# KiCad board HPM1500_DDR3_CORE_RevB.kicad_pcb (continued)
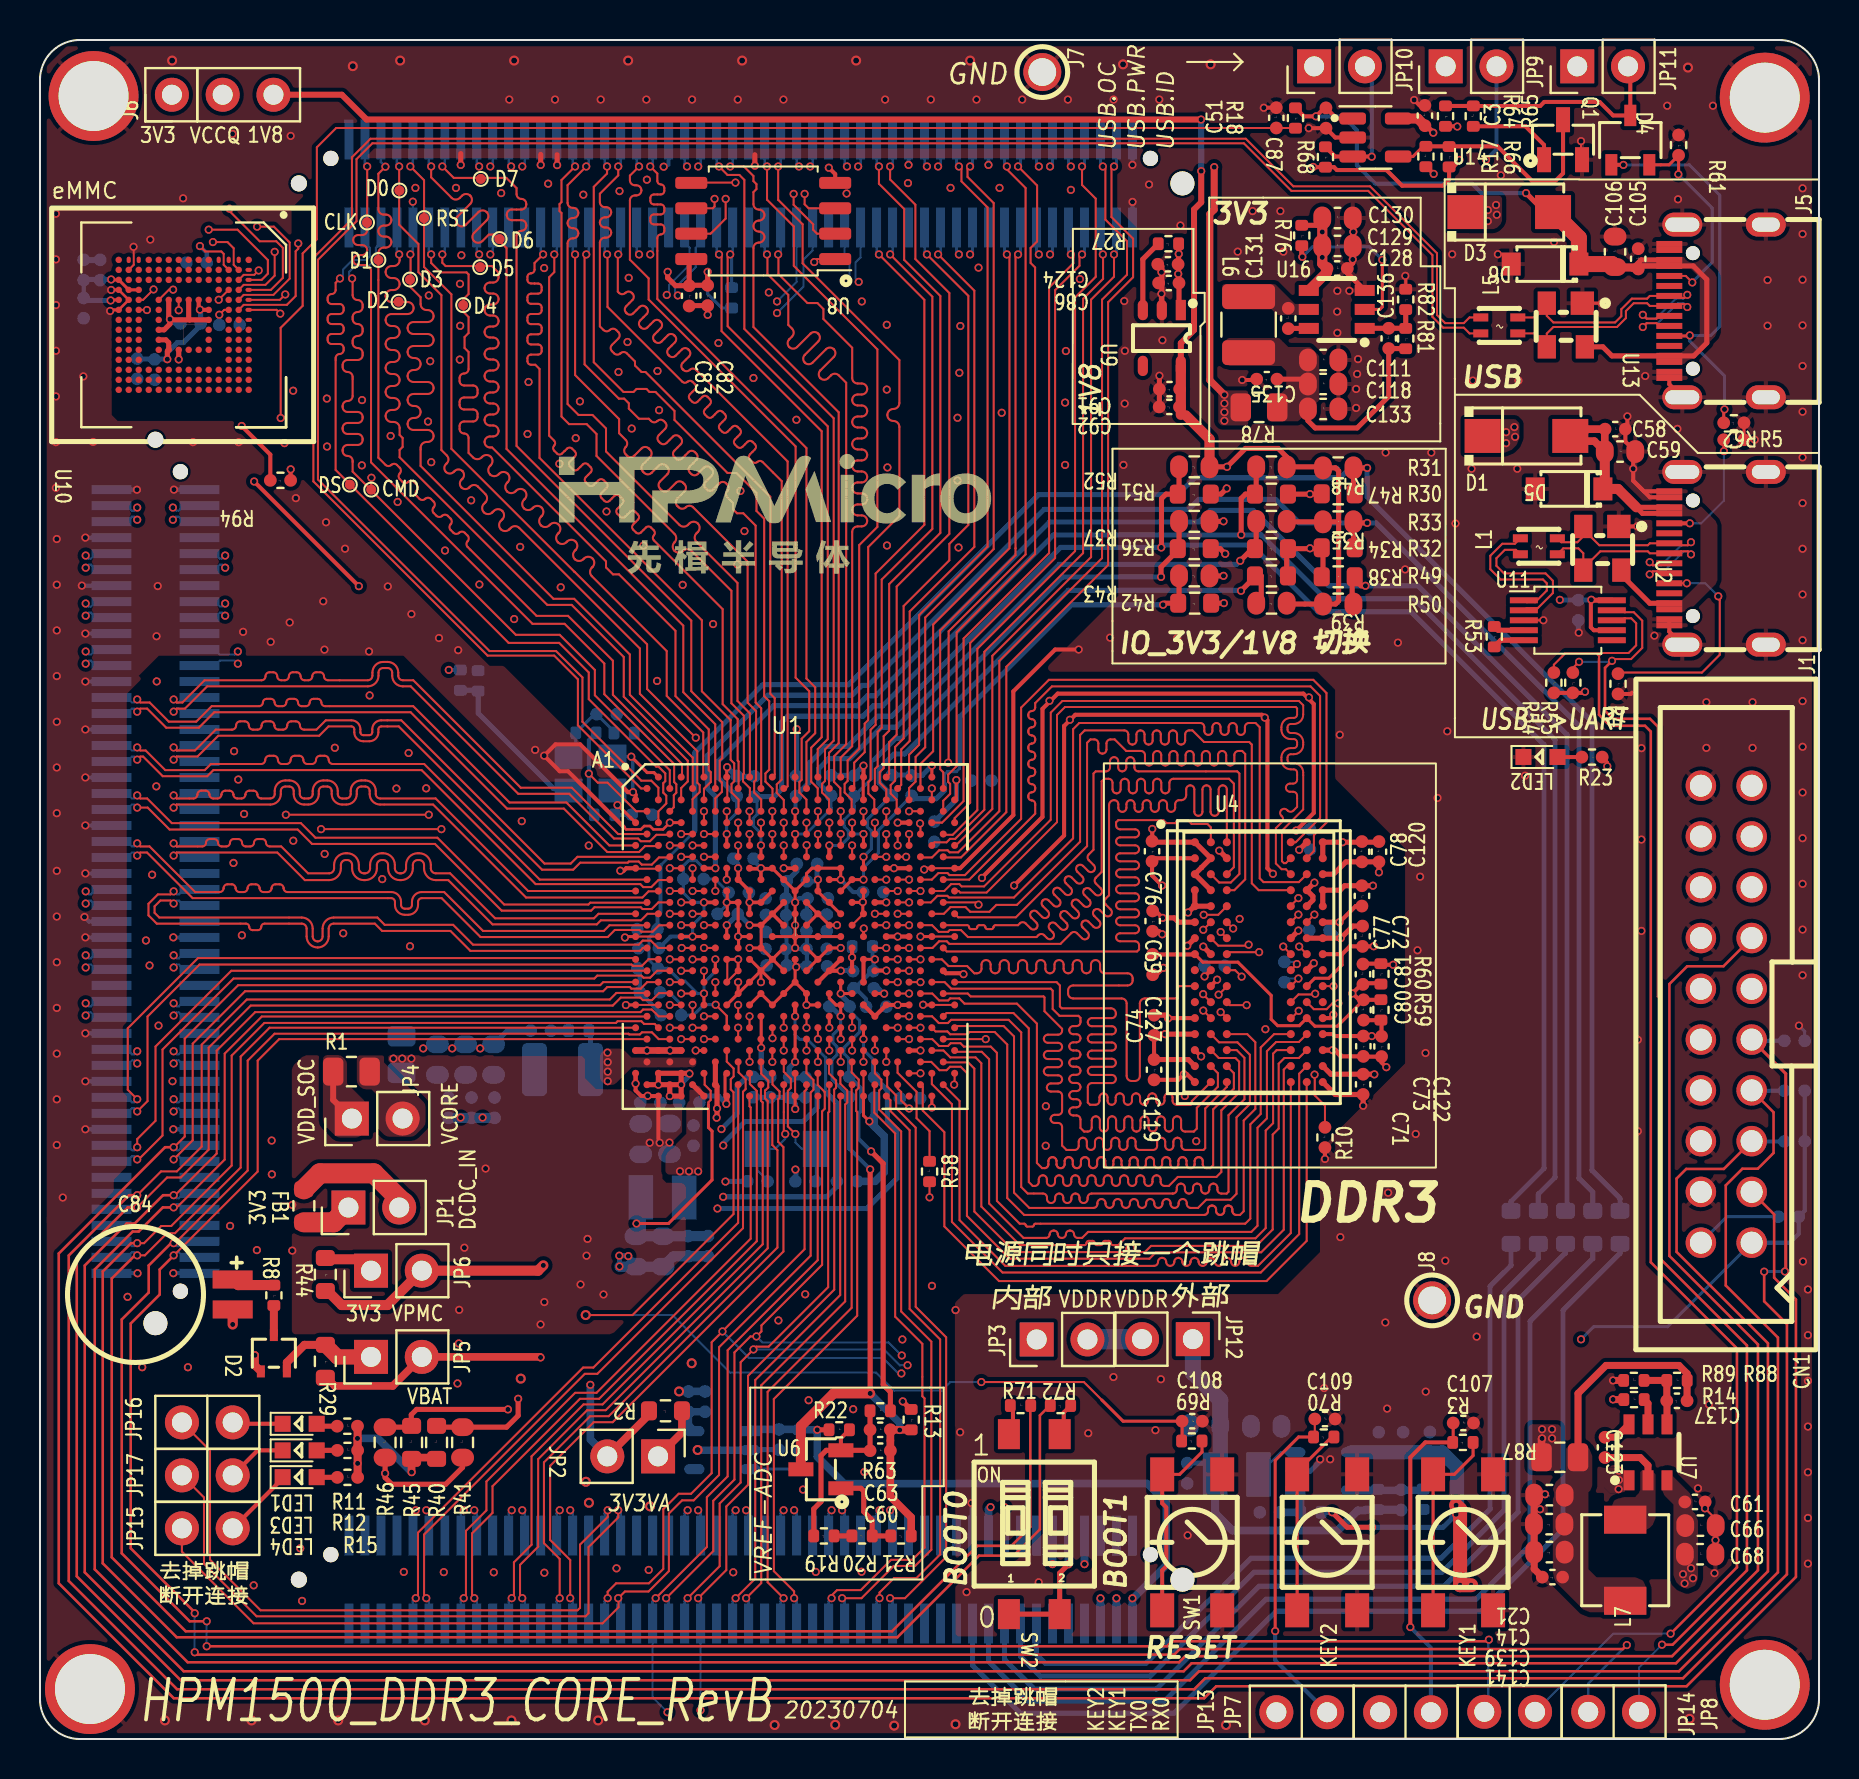
[diagram p0: board, top side]
## Nets (continued)
Net-(U1L-XTAL_OUT): R9.1 R86.2 U1.D2
Net-(U3-EN): C57.1 R67.1 U3.1
Net-(U3-FB): C62.2 R73.1 R74.2 U3.5
Net-(U4-ZQ): R10.2 U4.L8
Net-(U5-EN): R57.2 U5.3
Net-(U6-R): R20.1 R21.2 U6.1
Net-(U7-EN): R14.2 U7.5
Net-(U7-SW): C123.2 L7.1 U7.2
Net-(U7-VBST): C123.1 U7.6
Net-(U7-VFB): C137.2 R88.1 R89.2 U7.4
Net-(U9-EN): R27.2 U9.3
Net-(U10A-VDDI): C95.2 U10.C2
Net-(U11-~{CTS}): R53.2 U11.5
Net-(U11-~{RTS}): R53.1 U11.4
Net-(U16-BS): C131.1 U16.6
Net-(U16-EN): R76.2 U16.2
Net-(U16-FB): C136.2 R81.1 R82.2 U16.1
Net-(U16-LX): C131.2 L6.1 U16.5
Net-(X1-TRI_state): C50.1 R85.2 R86.1 X1.1
Net-(X1-VDD): R83.2 R84.2 X1.4

Pads without a net: CN1 11 15 17 19; J1 A8 B8; J5 A8 B8; U4 J1 J9 L1 L9; U5 4; U9 4; U10 A1 A2 A7 A8 A9 A10 A11 A12 A13 A14 B1 B7 B8 B9 B10 B11 B12 B13 B14 C1 C3 C5 C7 C8 C9 C10 C11 C12 C13 C14 D1 D2 D3 D4 D12 D13 D14 E1 E2 E3 E5 E8 E9 E10 E12 E13 E14 F1 F2 F3 F10 F12 F13 F14 G1 G2 G3 G10 G12 G13 G14 H1 H2 H3 H12 H13 H14 J1 J2 J3 J12 J13 J14 K1 K2 K3 K6 K7 K10 K12 K13 K14 L1 L2 L3 L12 L13 L14 M1 M2 M3 M7 M8 M9 M10 M11 M12 M13 M14 N1 N3 N6 N7 N8 N9 N10 N11 N12 N13 N14 P1 P2 P7 P8 P9 P10 P11 P12 P13 P14; U11 6

## Via types
v1: diameter 0.5, hole 0.3, Top to Bottom, 31 vias
v2: diameter 0.406, hole 0.254, Top to Bottom, 1030 vias

## Routing (per net, layer and track width the routed paths; a pad name or vN(x,y) marks a point on that pad's centre or on a via; arc(x,y) is an arc through that point)
5V_Debug: length 16.7
  Top w0.254: U2.4 79.11,58.24 80.53,56.82 J1.B9 ; 79.69,61.79 79.86,61.62 J1.A9 ; 79.69,61.79 80.16,61.32 J1.B4 ; 79.69,61.79 78.94,62.54
  Top w0.381: C58.1 77.4,65.53 76.8,64.93 77.76,64.93 C59.1 78.28,65.52 C58.1
  Top w0.5: C59.1 78.28,62.64 D5.1 78.94,62.54 79.86,61.62
+1V8: length 217.8
  Top w0.254: 64.97,60.89 64.97,56.94 64.81,56.78 R50.1 62.41,56.78 R39.1 ; 64.97,60.89 64.97,63.44 64.81,63.59 R31.1 64.13,63.64 R48.1 62.37,64.14 61.94,64.56 60.3,64.56 v2(59.38,63.64) R52.1 ; 64.97,60.89 64.96,60.89 R33.1 62.39,60.89 R35.1 ; v2(59.21,58.19) 59.2,58.19 R43.1 ; 21.14,14.08 21.14,13.59 20.3,12.74 17.6,12.74 17.27,13.08 v2(17.27,13.29) 17.27,14.08 ; R37.1 59.2,60.92 v2(59.21,60.92)
  Top w0.3: U9.5 57.07,69.83 57.73,70.49 57.73,76.52 58.09,76.88 v2(58.09,78.44) ; v2(58.08,81.02) 16.34,81.02 15.1,82.26 J6.3
  Top w0.508: U9.5 57.07,66.25 ; 57.32,66.22 58.5,65.03 R52.1
  In2.Cu w0.5: v2(59.21,60.92) 58.38,60.92 ; v2(59.21,58.19) 58.31,58.19
  In2.Cu w0.508: v2(17.27,13.29) 17.29,13.26 17.29,11.69 18.81,10.17 46.12,10.17 v2(47.55,11.6)
  In2.Cu w0.8: v2(47.55,11.6) v2(48.25,11.6) 49.8,13.15 68.5,13.15 73.23,17.88 73.23,53.96 71.47,55.72 58.9,55.72 58.3,56.32 58.3,63.1 58.84,63.64 v2(59.38,63.64)
  Bottom w0.3: v2(58.08,81.02) 58.09,81.01 v2(58.09,78.44)
  Bottom w0.381: v2(47.55,11.6) 47.45,11.5 J4.81 ; J4.83 48.25,11.5
+3.3V: length 246.4
  Top w0.178: U1.L13 U1.M12 v2(35.5,41.85) ; v2(34.93,43.56) U1.K10 U1.L11 v2(35.5,41.85) ; v2(35.5,41.85) U1.N11 ; U1.J15 v2(37.2,43.56)
  Top w0.2: R64.2 70.89,80.68 v2(70.9,80.67) ; v2(77.61,56.99) 77.58,56.97 77.58,55.62 77.73,55.47 U11.7 ; v2(15.95,57.67) v2(10.71,62.91)
  Top w0.203: U10.E6 8.01,71.5 ; v2(8,71.51) 7.94,71.57 U10.F5 ; v2(77.29,52.39) 77.23,52.34 R55.2 R54.2 ; 70.49,78.65 70.49,78.01 70.19,77.71 68.14,77.71 67.36,78.49 64.88,78.49 64.73,78.64 63.7,78.64 v2(63.69,78.65)
  Top w0.25: U10.K9 6.3,70 6.44,69.86 U10.J10 6.37,69.43 v2(6.37,69.03) ; v2(77.61,56.99) 77.63,56.97 U11.10
  Top w0.254: 64.18,58.14 64.18,59.59 64.14,59.55 62.37,59.55 62.37,58.19 ; v2(59.37,62.56) 59.08,62.28 58.5,62.28 ; 58.5,59.55 59.03,59.55 v2(59.29,59.29) ; U8.8 32.47,73.93 C83.1 ; 70.49,78.65 70.66,78.65 v2(71.01,79) ; C83.1 32.5,72.73 C82.1 v2(33.4,73.4) ; C83.1 31.79,72.71 31.4,73.1 v2(31.4,73.4) ; SW2.1 SW2.2 51.01,8.3 v2(51.46,8.74) ; 15.89,15.64 R11.2 ; 62.37,62.28 v2(63.53,62.28) 64.17,62.28 ; v2(59.22,56.83) 59.22,56.82 58.53,56.82
  Top w0.35: v2(59.25,67.25) 58.52,67.98 58.52,76.29 58.74,76.51 v2(58.74,78.64)
  Top w0.381: v2(75.14,15.04) 75.12,15.01 R87.2 ; 19.84,14.08 18.59,14.08 v2(18.59,13.35) ; R12.2 15.88,14.45 v2(15.88,15.04)
  Top w0.4: v2(10.75,19.2) 10.75,18.69 D2.1 ; R15.2 15.89,15.64
  Top w0.5: 14.28,24 15.99,24 JP6.1
  Top w1: JP1.1 14.69,25.85 FB1.2
  In2.Cu w0.2: v2(10.71,62.91) 6.37,67.25 v2(6.37,69.03) ; v2(15.95,57.67) 15.95,57.58 20.05,53.48 v2(20.45,53.48)
  In2.Cu w0.254: v2(70.9,80.67) 71.01,80.56 v2(71.01,79) ; v2(35.5,41.85) 34.94,41.3 34.07,41.3 33.84,41.07 33.84,39.76 34.34,39.26 34.34,36.34 33.86,35.85 33.86,34.43 33.27,33.85 29.62,33.85 29.11,33.33 29.11,32.05 28.42,31.37 23.85,31.37 20.93,28.45 17.29,28.45 JP1.1 ; v2(35.5,41.85) v2(37.21,43.56) ; v2(35.5,41.85) 35.5,41.86 34.93,42.43 v2(34.93,43.56)
  In2.Cu w0.35: J6.1 6.6,79.85 2.77,76.02 2.77,70.76 4.5,69.03 v2(6.37,69.03)
  In2.Cu w0.381: v2(31.4,73.4) 31.4,77.59 31.82,78.01 31.82,80.66 31.79,80.69
  In2.Cu w0.508: v2(63.69,78.65) 63.68,78.64 v2(58.74,78.64) ; J6.1 8.12,83.78 13.1,83.78 14.79,82.09 21.24,82.09 22.64,80.69 56.77,80.69 58.74,78.72
  Bottom w0.15: v2(77.09,19.99) 77.72,20.63 81.42,20.63 CN1.1 ; 20.45,53.48 v2(20.45,53.48)
  Bottom w0.152: 77.59,56.98 v2(77.61,56.99) ; 34.6,71.59 34.11,71.59 33.4,72.3 v2(33.4,73.4) ; 76.04,56.98 v2(76.03,56.99)
  Bottom w0.2: 21.03,53.48 20.45,53.48
  Bottom w0.203: CN1.1 87.54,24.83 87.98,25.27 R26.2 88.28,26.43 R16.1 ; 34.68,44.04 34.93,43.8 v2(34.93,43.56) ; 35.42,41.84 35.42,42.3 C34.1
  Bottom w0.25: v2(6.37,69.03) 4.89,69.03 C98.1 ; 76.04,56.98 C56.1 77.59,56.98
  Bottom w0.254: v2(8,71.51) 8.04,71.47 8.04,70.72 7.18,69.86 6.87,69.86 6.37,69.36 v2(6.37,69.03)
  Bottom w0.381: v2(18.59,13.35) 16.9,15.04 v2(15.88,15.04)
  Bottom w0.4: 51.46,10.17 v2(51.46,8.74) ; J4.89 v2(50.65,8.75) ; J4.93 v2(52.25,8.75)
  vias: v2(15.89,13.79) v2(59.25,66.82) v2(59.25,66.38) v2(59.25,65.95) v2(63.53,59.57) v2(75.14,15.49) v2(75.64,15.49) v2(75.64,15.04)
+3.3VA: length 7
  Top w0.381: R2.1 32.12,15.33 JP2.1
  Bottom w0.381: C126.1 33.27,16.37 C7.1 32.44,15.69 U5.5 32.18,15.4 JP2.1
+5V: length 66.7
  Top w0.152: R23.2 78.4,48.87 v2(78.4,48.66)
  Top w0.254: R76.1 63.88,75.73 64.15,75.99 ; 69.28,80.71 69.35,80.71 v2(69.7,80.36) ; 39.47,15.47 v2(38.88,15.47) ; v2(56.96,74.3) 56.96,74.8 R27.1 56.96,72.86 C86.1 56.98,71.58 U9.1 ; v2(66.64,10.59) 65.39,10.59 v2(64.64,11.34)
  Top w0.3: 71.96,75.74 D3.1
  Top w0.35: R14.1 78.7,16.98 v2(78.69,16.99)
  Top w0.5: 69.28,80.71 68.92,81.07 67.94,81.07
  Top w0.508: U16.4 64.39,73.39 64.39,73.57 64.15,73.81 64.15,75.99
  Top w0.7: v2(71.59,7.69) v2(71.04,7.69) 71.04,11.49 v2(70.84,11.69)
  Bottom w0.254: v2(66.64,10.59) 70.19,10.59 v2(70.84,11.24) ; R67.2 64.64,11.34 v2(64.64,11.34)
  Bottom w0.381: J4.96 v2(53.05,7.04) ; J4.100 v2(54.65,7.04) 54.69,7.04 56.34,8.69 56.34,11.83 55.39,12.78 40.22,12.78 38.88,14.12 v2(38.88,15.47) 37.99,15.47 37.97,15.49 C125.1 35.62,15.49 U5.1 ; J4.98 v2(53.85,7.04)
  Bottom w0.7: 69.51,14.34 68.72,14.34 ; 68.72,14.34 69.31,14.34 ; 68.72,14.34 U3.4 ; C54.1 70.14,14.34 70.89,13.59 70.89,11.29 v2(70.84,11.24)
  vias: v2(56.94,73.3) v2(64.15,75.39) v2(64.15,74.12) v2(72.43,76.49) v2(72.43,75.94) v2(72.84,76.74) v2(72.88,76.25) v2(73.34,65.38) v2(73.34,64.83) v2(73.75,65.63) v2(73.79,65.14) v2(82.19,8.24) v2(82.27,7.78) v2(82.59,8.54) v2(82.69,8.04)
/Main/MCU-08/VDDR': length 16
  Top w0.102: 33.44,31.74 33.44,31.86 33.55,31.97 33.55,32.43 33.25,32.73 33.25,33.36
  Top w0.15: 33.44,31.74 33.44,30.59 33.62,30.41 33.62,27.97 31.44,25.79 v2(29.84,25.79)
  Bottom w0.508: L2.2 30.05,25.39 C85.1 33.41,25.15 C113.1
AGND: length 37.8
  Top w0.152: U1.Y18 39.49,37.06 39.83,36.72 40.05,36.72 U1.AA19 ; 40.05,36.72 U1.AA19 ; U1.AA19 v2(40.06,36.15)
  Top w0.254: v2(41.53,17.29) v2(41.53,28.49)
  Top w0.381: R13.2 C63.2 C60.2 42.54,12.13 43.58,11.09 43.58,10.16
  Top w0.5: v2(41.53,17.29) 39.7,17.29 38.06,15.65 U6.3
  Bottom w0.152: v2(40.06,36.15) 40.06,35.62 39.67,35.23 39.67,34.83 39.87,34.63 39.87,34.22 39.63,33.99 39.63,32.99 40.48,32.14
  Bottom w0.203: v2(41.53,28.49) 40.48,29.54 40.48,32.14
  Bottom w0.254: v2(40.06,36.15) 39.56,36.65 C38.2
  Bottom w0.381: v2(41.53,17.29) 43.01,15.81 v2(43.01,15.46)
GND: length 441.4
  Top w0.097: v2(8.94,72) 9.43,72.5 U10.C4 ; 4.69,74.64 4.69,73.75
  Top w0.102: 29.86,43.54 30.99,43.54 ; R58.1 v2(44.5,27.1) ; v2(45.73,32.74) 45.75,32.76 U1.AG29 ; v2(37.86,50.52) 37.78,50.44 37.78,46.93 ; U1.AG21 41.19,32.25 41.17,32.23 ; C66.2 83.83,11 v2(83.29,11.54) ; 44.19,36.72 v2(44.18,36.73) ; U1.P20 U1.N21 ; 34.36,48.6 v2(34.37,48.62) ; v2(46.95,41.74) 46.84,41.85 U1.M28 ; v2(12.02,71.31) 11.83,71.5 U10.A6 ; U11.3 v2(75.21,55.97) ; 34.38,37.88 34.38,39.01 ; 3.56,71.5 v2(3.51,71.44) ; 44.3,43.56 v2(44.23,43.5) ; 4.69,73.75 U10.N2 ; v2(43.48,31.54) 43.08,31.94 43.08,32.37 42.91,32.54 U1.AH24 ; U1.AA3 U1.AA1 29.31,36.72 ; v2(4.68,74.65) 4.69,74.64 ; U1.J27 U1.J29 ; 37.78,33.36 37.78,32.23 ; Q1.2 77.09,79.06 v2(77.09,79.94) ; 44.56,40.14 45.69,40.14 ; U1.W9 U1.V10 ; 34.38,46.93 34.38,48.06 ; U1.AD28 v2(47.31,35.01) ; U1.AA29 U1.AA27 ; v2(3.56,72.49) 3.56,72.5 ; 29.86,40.14 30.99,40.14 ; 34.34,32.17 U1.AJ9
  Top w0.127: U10.P4 U10.N5 U10.P6 ; v2(31.5,45.84) 31.17,45.51 30.68,45.51 30.52,45.67 30.22,45.67 30.06,45.51 29.32,45.51 29.21,45.62
  Top w0.15: U1.AG9 34.27,33.22 34.27,32.25 U1.AJ9
  Top w0.152: 41.15,41.85 U1.M20 ; U13.1 78.12,71.83 v2(78.13,71.82) ; U1.R1 29.3,40.14 v2(29.26,40.1) ; U1.K18 v2(40.06,42.99) U1.J19 U1.J17 38.62,43.56 38.34,43.29 U1.K16 U1.L15 ; U1.L15 v2(37.78,41.85) U1.N15 v2(37.78,40.72) U1.R15 ; U1.L15 U1.K14 U1.J13 ; R62.1 R5.2 v2(85.78,65) ; U1.R15 U1.R17 U1.R19 ; U1.R15 U1.R13 ; U1.R15 v2(37.78,39.57) ; U1.W15 U1.Y16 v2(38.34,36.72) U1.AA17 ; U1.N21 41.16,41.32 v2(41.16,41.87) 41.19,41.9 U1.L21 ; U1.U9 34.93,39.01 ; U1.A27 v2(44.61,48.7) ; U1.A3 30.71,48.35 30.38,48.35 v2(29.58,49.14) ; U1.E5 v2(31.5,45.84) ; U1.AJ21 41.19,31.19 v2(41.49,30.9) ; U1.P10 U1.M10 v2(34.36,41.85) ; v2(68.3,73.2) 68.32,73.18 R82.1 ; v2(45.84,47.97) 45.84,47.07 U1.C29 ; U1.AJ27 v2(44.61,31.59) ; 37.21,37.32 37.78,37.88 37.78,39.01 ; 41.18,47 41.18,48.11 ; U1.A9 34.36,48.6 ; U1.V10 v2(34.93,39.01) ; U1.R11 v2(34.93,40.15) ; U1.J27 44.3,43.56 ; 3.56,72.5 U10.P4 ; U10.P6 3.56,71.5 ; 34.38,41.28 34.38,42.41 ; U1.AA1 29.31,36.73 ; U1.Y14 U1.AA13 U1.Y12 U1.AA11 ; U1.AA27 44.19,36.73 ; 37.78,31.53 U1.AJ15 ; U1.U21 v2(41.76,39.01) ; 34.95,40.71 34.95,39.58 ; U1.R27 v2(44.04,40.15)
  Top w0.178: U1.K12 v2(36.07,43.56) ; 36.64,43.54 35.51,43.54
  Top w0.2: 30.94,30.02 U1.AJ3 30.38,32.16 30.37,32.17 30.07,32.17 29.8,32.44 U1.AG1 v2(29.8,32.79) ; 46.04,15.36 v2(46.03,15.35) ; 60.93,68.03 60.89,67.99 v2(60.14,67.99) ; v2(39.46,78.61) 39.78,78.29 U8.4
  Top w0.203: 79.64,52.34 79.58,52.28 78.94,52.28 ; U4.B1 55.79,44.06 C76.2 55.63,43.2 v2(56.13,42.7) ; 65.07,34.18 65.1,34.15 C73.2 66.21,34.14 C122.2 67.11,33.85 v2(67.35,33.61) ; C51.2 61.22,81.61 v2(61.22,81.61) ; J1.A12 80.23,62.42 79.7,62.95 ; v2(68.74,82) 69.01,81.73 C3.2 ; 79.7,62.95 79.7,64.31 C59.2 79.31,64.9 C58.2 79.41,65.63 v2(79.41,66.17) ; 79.7,62.95 80.53,62.12 J1.B1 ; v2(65.01,40.86) 65.82,41.67 C72.2 ; v2(61.68,43.29) 61.4,43.56 61.4,50.97 v2(61.27,51.1) 61.13,51.24 51.79,51.24 51.23,50.68 51.23,45.2 v2(48.73,42.7) ; v2(63.47,80.59) 63.47,80.59 C87.2 64.8,80.12 U14.2 ; 56.38,36.06 U4.M1 ; U1.J29 46.03,43.56 48.69,46.22 48.69,52.41 50.78,54.5 v2(51.96,54.5) ; C81.2 66.2,38.79 R60.1 ; J1.B12 81.5,55.4 J1.1 ; U1.V28 45.31,38.31 46.15,38.31 ; U1.C1 29.8,47.24 v2(29.66,47.37) 29.41,47.37 27.02,49.76 25.78,49.76 v2(25.22,49.19) 26,48.41 26.42,48.41 29.21,45.62 ; R10.1 v2(64.28,29.02) ; U4.J2 v2(58.26,38.15) ; v2(79.91,60.67) 79.9,60.66 U2.1 ; C69.2 55.99,40.41 v2(56.14,40.26) ; U4.M9 64.52,36.06 v2(64.7,36.24) ; U1.J1 29.33,43.56 29.2,43.44 v2(29.03,43.44) ; v2(41.19,48.69) U1.A21 41.18,48.11 ; v2(56.2,38.58) 55.86,38.24 C127.2 ; U1.W21 U1.U21 ; J5.1 81.5,67.77 J5.A1 ; v2(42.9,45.84) U1.E25 ; C119.2 56.94,32.98 v2(57.22,33.26) 57.38,33.26 U4.T1 ; v2(67.69,38.73) 67.09,38.73 ; v2(62.84,45.45) 63.72,46.33 63.72,51.78 63.2,52.3 50.91,52.3 50.15,51.54 50.15,46.13 47.12,43.1 v2(47.12,43.08) ; U4.P1 v2(58.09,34.15) ; U1.AE25 v2(44.04,34.44) ; U1.C21 41.18,47
  Top w0.254: U16.3 65.4,73.34 65.4,73.57 65.67,73.84 65.67,75.99 ; v2(35.76,78.71) 35.76,79.26 ; 55.97,73.83 56.12,73.68 U9.2 56.1,71.51 v2(56.1,72.3) ; U4.T9 64.79,32.24 C71.2 v2(66.19,31.68) ; C120.2 66.95,44.86 v2(65.16,44.86) U4.A9 U4.B9 ; U4.G1 v2(57.39,39.68) ; v2(6.5,71.03) 6.44,71.09 U10.J5 ; v2(6.5,71.03) 6.5,70.79 6.21,70.5 U10.K8 ; v2(6.5,71.03) 6.54,71 7.49,71 ; C77.2 65.68,40.67 v2(65.07,40.06) U4.G9 U4.G8 ; U4.F9 v2(65.01,40.86) ; v2(6.94,69.02) 6.94,69.02 U10.H10 ; U4.E2 U4.E1 ; U4.E1 U4.D1 ; U4.E1 57.75,41.67 v2(57.43,41.35) ; C83.2 32.5,71.71 C82.2 v2(33.4,71.25) ; v2(25.05,78.75) 25.05,79.28 ; v2(56.44,36.05) 56.28,36.21 C74.2 ; U4.E8 63.68,41.97 63.68,42.16 U4.D8 v2(63.75,42.84) ; v2(21.05,78.75) 21.05,79.32 ; v2(43.16,16.89) 43.56,16.49 43.58,16.49 ; C92.2 56,66.65 C91.2 56,68.2 v2(56,68.2) ; U4.P9 v2(64.66,34.46) 64.79,34.46 65.07,34.18 ; U10.G5 7.44,71.04 7.49,71 ; 65.91,69.01 v2(65.94,69.03) ; 7.49,71 U10.E7 ; v2(34.33,31.77) 34.36,31.8 U1.AJ9 ; v2(25.87,78.74) 25.87,79.26 ; U4.B3 v2(58.99,44.44) ; U4.J8 v2(63.72,38.81) U4.J8
  Top w0.35: C141.2 74.75,8.51 C21.2 ; R89.1 v2(78.69,17.94)
  Top w0.508: C84.2 v2(9.64,20.74)
  In2.Cu w0.203: v2(46.95,41.74) 47.12,41.91 v2(47.12,43.08) 49.09,45.05 58.39,45.05 v2(58.99,44.44) 58.99,43.86 60.01,42.84 v2(60.01,41.03) 60.19,40.85 60.19,40.24 59.78,39.83 58.87,39.83 58.63,40.07 58.63,42.41 58.34,42.7 v2(48.73,42.7) 48.31,42.28 48.31,41.31 47.15,40.14 v2(44.05,40.14) ; v2(44.05,34.44) 45.27,34.44 46.73,32.98 46.73,31.87 48.93,29.67 57.6,29.67 v2(57.84,29.91) 57.84,30.33 62.41,34.9 62.41,36.73 63.72,38.04 v2(63.72,38.81) 63.36,39.18 62.35,39.18 61.42,38.25 61.42,35.49 58.1,32.17 v2(57.27,32.17) 56.73,31.63 48.55,31.63 47.85,32.33 47.85,33.32 45.63,35.54 45.63,35.82 44.72,36.73 v2(44.18,36.73)
  Bottom w0.102: v2(43.48,31.54) 43.48,31.58 C138.2 ; 43.45,78.75 v2(43.45,78.75) ; 6.7,62.5 v2(6.7,62.51) ; 31.45,78.75 31.36,78.66 v2(31.2,78.66) ; 4.85,62.5 v2(4.85,62.5) ; 54.65,76.9 v2(54.65,76.9) ; 25.05,78.75 v2(25.05,78.75) ; 21.05,78.75 v2(21.05,78.75) ; 47.45,78.75 v2(47.45,78.75) ; 54.65,78.75 v2(54.65,78.75)
  Bottom w0.152: v2(34.36,41.85) 34.36,41.74 C93.2 ; 28.64,49.15 X1.2 v2(29.58,49.14) 29.66,49.07 29.66,47.38 v2(29.66,47.37) ; v2(87.99,35.69) 88.28,35.4 R24.2 ; C34.2 33.77,43.02 C1.2
  Bottom w0.2: J3.15 21.05,78.75 ; J3.100 54.65,76.9 ; J3.99 54.65,78.75 ; J3.25 25.05,78.75 ; J3.41 31.45,78.75 ; J2.2 4.85,62.5 ; J2.1 6.7,62.5 ; J3.71 43.45,78.75 ; J3.81 47.45,78.75
  Bottom w0.203: v2(2.27,45.71) 2.27,45.7 J2.44 ; J2.57 6.67,40.1 v2(6.67,40.1) ; C121.2 62.91,45.52 v2(62.84,45.45) ; C25.2 41.69,38.93 v2(41.77,39) 41.65,39.12 R56.1 ; 31.06,36.21 31.06,36.29 C45.2 30,38.48 29.92,38.56 ; J2.82 2.27,30.5 v2(2.27,30.5) ; 37.37,42.05 37.35,42.08 C94.2 37.34,42.9 37.34,38.73 ; C15.2 37.44,40.37 ; v2(2.27,55.31) 2.27,55.3 J2.20 ; C143.2 64.67,40.46 v2(65.07,40.06) ; v2(2.27,50.51) 2.27,50.5 J2.32 ; J2.26 2.27,52.9 v2(2.27,52.91) ; J2.70 2.27,35.3 v2(2.27,35.3) ; 46.6,10.5 46.6,11.8 v2(46.6,11.8) ; C27.2 41.32,37.03 40.79,37.56 40.69,37.56 40.76,37.56 41.62,38.42 ; v2(40.06,42.99) 40.68,42.37 C19.2 41.17,41.88 v2(41.16,41.87) ; C44.2 38.32,38.7 C43.2 38.36,42.02 C42.2 37.98,42.06 v2(37.78,41.85) 37.58,42.05 C41.2 ; v2(2.27,43.3) 2.27,43.3 J2.50 ; J2.58 2.27,40.1 v2(2.27,40.1) ; J2.76 2.27,32.9 v2(2.27,32.9) ; v2(2.27,48.11) 2.27,48.1 J2.38 ; v2(58.26,38.15) 58.25,38.15 C23.2 ; v2(2.27,60.11) 2.27,60.1 J2.8 ; 35.59,44.04 v2(36.06,43.56) ; C12.2 38.34,39.52 38.34,39.53 ; v2(6.67,23.3) 6.67,23.3 J2.99 ; 7,70.83 6.7,70.83 v2(6.5,71.03) ; J2.100 4.88,23.3 v2(4.88,23.3) ; v2(6.67,30.5) 6.67,30.5 J2.81 ; v2(2.1,57.7) 2.1,57.7 3.4,57.7 ; C34.2 34.36,42.25 v2(34.36,41.85) ; v2(2.23,41.12) 2.45,40.9 J2.56
  Bottom w0.25: v2(76.97,55.35) 76.96,55.37 C56.2
  Bottom w0.254: C94.2 37.86,43.42 C145.2 ; C6.2 34.87,48.16 C20.2 34.82,48.18 v2(34.37,48.62) ; v2(41.19,48.69) 40.73,48.23 C24.2 40.71,48.21 C101.2 ; C26.2 45.84,47 v2(45.84,47.97) ; v2(30.4,32.18) 30.05,31.83 30.02,31.83 ; v2(37.86,50.52) 37.86,48.23 C18.2 ; v2(37.78,31.52) 37.78,31.79 C39.2 ; v2(37.79,28.49) 37.81,28.46 37.81,27.9 ; v2(34.29,27.89) 34.3,27.9 35.41,27.9 ; C102.2 43.58,48.22 C103.2 44.12,48.2 v2(44.62,48.69) ; 32.99,31.84 33.31,32.17 33.94,32.17 v2(34.33,31.77) ; C125.2 35.55,14.47 ; C40.2 38.28,32.11 ; U3.2 63.54,13.4 64.04,13.89
  Bottom w0.3: C116.2 2.99,73.98 2.18,73.98
  Bottom w0.381: 41.73,31.14 v2(41.49,30.9) 41.79,30.6 ; 41.73,31.14 C2.2 ; 41.73,31.14 41.73,30.66 41.79,30.6 ; 41.79,30.6 42.23,30.16 42.23,28.35 41.78,27.9 C8.2 ; 33.27,17.39 32.44,17.39 C7.2 31.97,17.39 v1(31.97,17.39) ; v1(32.9,14.46) 32.91,14.45 U5.2
  vias: v1(6.25,0.93) v1(6.61,83.97) v1(10.58,0.93) v1(14.92,0.93) v1(15.65,83.69) v1(18.02,83.97) v1(19.25,0.93) v1(23.59,0.93) v1(23.72,83.97) v1(24.05,18.03) v1(27.31,12.87) v1(27.46,11.82) v1(27.92,0.93) v1(29.42,83.97) v1(30.52,11.64) v1(32.6,18.8) v1(35.12,83.97) v1(36.75,0.7) v1(39.78,0.71) v1(40.83,83.97) v1(42.73,0.67) v1(45.8,0.74) v1(46.53,83.97) v1(54.18,83.78) v1(58.56,83.78) v1(59.33,0.7) v1(82.44,83.62) v1(82.52,1.01) v2(0.8,76.31) v2(0.8,74.02) v2(0.8,71.74) v2(0.8,69.45) v2(0.8,67.17) v2(0.8,64.88) v2(0.8,62.59) v2(0.84,60.03) v2(0.84,57.75) v2(0.84,55.46) v2(0.84,53.18) v2(0.84,50.89) v2(0.84,48.6) v2(0.84,46.32) v2(0.84,43.43) v2(0.84,41.15) v2(0.84,38.86) v2(0.84,36.58) v2(0.84,34.29) v2(0.84,32) v2(0.84,29.72) v2(1.14,27.09) v2(2.17,68.17) v2(2.66,64.89) v2(4.38,22.12) v2(5.11,18.6) v2(5.3,39.95) v2(5.48,38.7) v2(5.52,75.01) v2(5.61,43.24) v2(5.89,57.68) v2(5.83,55.17) v2(5.84,52.91) v2(5.82,47.66) v2(5.93,35.69) v2(6.63,32.91) v2(7.16,77.08) v2(7.4,18.6) v2(7.65,64.88) v2(9.51,25.67) v2(9.63,80.3) v2(9.68,43.83) v2(9.71,49.42) v2(9.94,64.88) v2(9.92,48) v2(10.1,40.21) v2(10.16,55.39) v2(10.21,46.28) v2(10.69,7.69) v2(10.85,24.46) v2(11.54,54.89) v2(11.59,29.94) v2(11.6,28.25) v2(12.23,64.83) v2(12.49,55.86) v2(12.54,80.2) v2(12.66,67.45) v2(12.67,44.94) v2(12.62,26.72) v2(12.62,24.43) v2(12.8,62.08) v2(13.02,9.54) v2(13.11,6.91) v2(14.17,56.92) v2(14.23,54.5) v2(14.24,44.28) v2(14.35,67.06) v2(14.36,64.66) v2(14.31,60.87) v2(14.75,49.59) v2(15.17,40.31) v2(15.26,59.55) v2(16.1,63.72) v2(16.11,66.98) v2(16.46,54.41) v2(16.49,52.21) v2(17.12,43.02) v2(17.4,57.66) v2(17.54,65.19) v2(17.68,34.04) v2(17.89,61.89) v2(17.83,47.55) v2(18.12,34.04) v2(18.2,8.36) v2(18.44,49.33) v2(18.58,56.28) v2(18.51,39.66) v2(18.58,34.04) v2(18.78,77.6) v2(19.32,47.56) v2(19.45,72.22) v2(19.41,65.91) v2(19.52,68.93) v2(19.57,63.88) v2(19.96,55.08) v2(20.2,8.35) v2(20.26,59.46) v2(20.81,77.6) v2(20.89,17.79) v2(21,69.01) v2(20.92,54.47) v2(20.97,21.47) v2(20.95,19.79) v2(21.08,74.23) v2(21.01,72.8) v2(21.02,70.7) v2(21.23,24.58) v2(21.57,61.97) v2(21.98,57.76) v2(22.29,28.54) v2(22.7,8.34) v2(23.07,77.34) v2(23.48,82.02) v2(23.72,56.03) v2(24.02,59.64) v2(24.1,45.92) v2(24.39,65.29) v2(24.44,67.89) v2(24.77,49.48) v2(25.04,20.74) v2(25.22,73.59) v2(25.23,21.86) v2(25.23,8.32) v2(25.42,77.81) v2(25.76,82.02) v2(25.98,63.8) v2(26.05,57.62) v2(26.8,65.08) v2(27.01,66.92) v2(27.04,22.74) v2(27.18,77.26) v2(27.39,25.02) v2(27.34,24.18) v2(27.45,44.7) v2(28.05,82.02) v2(28.19,22.24) v2(28.34,61.41) v2(28.84,8.54) v2(28.99,77.44) v2(28.94,68.39) v2(29.39,69.89) v2(29.31,36.72) v2(29.45,73.1) v2(29.6,65.56) v2(30.19,59.71) v2(30.33,82.02) v2(30.36,78.01) v2(30.5,29.83) v2(30.45,8.46) v2(30.89,68.44) v2(30.87,52.93) v2(30.97,66.48) v2(31,29.83) v2(31.49,29.84) v2(32.15,57.74) v2(32.62,82.02) v2(33.67,55.78) v2(33.94,69.84) v2(34.68,8.34) v2(34.89,58.76) v2(34.91,82.02) v2(35.04,62.44) v2(35.24,60.43) v2(35.69,68.09) v2(36.46,72.37) v2(36.94,20.94) v2(37.19,82.02) v2(37.84,66) v2(37.83,38.62) v2(38.17,12.48) v2(38.28,22.25) v2(38.45,16.95) v2(38.81,8.36) v2(40.35,77.32) v2(40.68,16.5) v2(41.1,8.37) v2(41.11,71.92) v2(41.24,13.36) v2(42.28,82.02) v2(42.36,70.75) v2(42.36,67.51) v2(42.39,63.61) v2(42.37,59.71) v2(43.14,19.99) v2(43.42,77.84) v2(44.56,82.02) v2(44.62,22.67) v2(45.55,77.6) v2(45.8,21.46) v2(45.9,66.1) v2(45.9,62.96) v2(45.99,68.35) v2(45.95,59.61) v2(46.04,70.69) v2(46.2,38.26) v2(46.35,7.35) v2(46.85,82.02) v2(46.95,73.61) v2(48,77.6) v2(48.11,66.35) v2(49.13,82.02) v2(49.96,7.84) v2(50.32,31.66) v2(50.31,29.68) v2(50.5,51.94) v2(51.28,66.86) v2(51.28,63.74) v2(51.32,69.44) v2(51.42,82.02) v2(51.57,77.5) v2(51.52,50.99) v2(52.02,73.04) v2(52.44,15.3) v2(53.53,55.1) v2(53.7,18.11) v2(53.71,82.02) v2(54.2,63.74) v2(54.24,71.94) v2(54.27,69.45) v2(54.26,66.81) v2(55.48,77.77) v2(55.8,15.45) v2(55.99,82.02) v2(56.1,73.38) v2(56.07,18) v2(56.15,69.98) v2(56.89,55.09) v2(57.05,75.72) v2(57.41,10.19) v2(59.91,74.41) v2(60.66,76.44) v2(61.3,35.51) v2(62.05,76.44) v2(62.2,74.41) v2(63.48,52.11) v2(64.04,13.99) v2(64.24,17.56) v2(64.54,13.99) v2(64.9,72.45) v2(64.89,71.41) v2(64.9,70.35) v2(65.02,50.24) v2(65.05,25.11) v2(65.5,72.45) v2(65.7,75.4) v2(65.67,74.02) v2(65.89,68.29) v2(65.84,67.54) v2(65.84,66.59) v2(67.3,20.84) v2(67.31,64.36) v2(67.39,16.53) v2(67.44,27.33) v2(67.93,54.85) v2(68.29,58.51) v2(68.82,30.27) v2(68.91,39.46) v2(69.04,43.14) v2(69.31,34.32) v2(69.32,17.38) v2(69.6,64.36) v2(69.91,47.08) v2(70.3,23.93) v2(70.4,50.42) v2(70.64,74.28) v2(70.81,60.81) v2(71.67,67.96) v2(71.61,63.55) v2(71.87,20.13) v2(72.93,74.28) v2(73.08,78.23) v2(73.9,63.55) v2(73.96,67.96) v2(74.29,48.19) v2(75.04,11.49) v2(75.29,12.24) v2(75.74,74.9) v2(78.99,13.43) v2(78.98,12.96) v2(78.97,12.5) v2(79.7,63.55) v2(79.93,34.98) v2(79.93,30.41) v2(80.11,49.57) v2(80.11,45) v2(80.11,40.43) v2(80.3,68.19) v2(80.76,55.2) v2(81.4,81.71) v2(81.94,77.03) v2(81.91,65.54) v2(82.94,12.54) v2(83.36,51.87) v2(83.36,49.58) v2(83.49,16.74) v2(83.69,81.71) v2(83.77,8.3) v2(83.82,9.95) v2(85.67,51.87) v2(85.67,49.58) v2(86.42,72.99) v2(86.42,70.7) v2(88.17,77.58) v2(88.17,75.29) v2(88.17,73.01) v2(88.17,70.72) v2(88.17,68.69) v2(88.17,66.4) v2(88.17,64.12) v2(88.17,61.83) v2(88.17,59.55) v2(88.17,57.26) v2(88.17,54.97) v2(88.17,51.93) v2(88.17,49.64) v2(88.17,47.35) v2(88.17,45.07) v2(88.17,42.78) v2(88.17,40.5) v2(88.17,38.21) v2(88.19,23.89) v2(88.44,22.49) v2(88.44,20.2) v2(88.44,17.92) v2(88.44,15.63) v2(88.44,13.35) v2(88.44,11.06) v2(88.44,8.77)
VBAT: length 37.5
  Top w0.152: v2(37.78,33.87) U1.AE15 U1.AC15
  Top w0.381: 14.28,18.13 14.74,17.66 17.65,17.66 JP5.2 25.01,19.12 v2(25.04,19.09)
  In2.Cu w0.381: v2(34.18,29.69) 33.69,29.2 33.69,27.75 33.22,27.27 33.22,25.94 26.36,19.09 v2(25.04,19.09)
  Bottom w0.152: 37.49,33.08 37.48,33.07
  Bottom w0.254: 37.48,33.07 37.48,33.58 v2(37.78,33.87) ; C46.1 38.88,32.52 38.88,31.59 38.18,30.89 35.27,30.89 34.18,29.8 v2(34.18,29.69) ; 38.29,33.08 37.49,33.08
VBUS: length 42.8
  Top w0.203: 62.81,81.6 63.23,81.18 v2(63.83,81.18) 64.25,81.6 C87.1 64.86,81.07 65.67,81.07
  Top w0.254: 79.64,73.54 C105.1 80.1,73.69 J5.B4 ; 79.64,73.54 80.09,73.99 J5.A9 ; 79.64,73.54 78.89,73.54 C106.1 78.84,73.69 J5.B4 ; J5.B4 82.71,73.69 83.38,73.02 83.38,69.84 82.73,69.19 J5.B9 78.64,69.19 78.18,69.65 U13.4 ; v2(74.34,77.34) 75.29,76.39 D3.2
  Top w0.8: D3.2 76.98,75.1 D6.1 78.64,73.79 C106.1
  Bottom w0.203: v2(74.34,77.34) 72.11,77.34 71.64,77.81 66.8,77.81 65.88,78.73 65.88,80.48 65.18,81.18 v2(63.83,81.18)
VCCQ: length 36.7
  Top w0.097: v2(8.97,71.25) 9.21,71.5 U10.C6
  Top w0.102: v2(3.53,71.97) 3.56,72
  Top w0.152: 3.56,72 U10.P5 ; 3.58,73 U10.P3 U10.N4 U10.M4
  Top w0.203: R94.2 11.52,64.26 v2(10.09,65.69)
  In2.Cu w0.25: 8.54,70.33 4.6,70.33 4.01,70.92 4.01,71.47 ; 8.54,70.33 8.54,67.24 v2(10.09,65.69) ; 8.54,70.33 8.97,70.76 v2(8.97,71.25) ; 4.15,72.23 4.01,72.09 4.01,71.47 ; 3.88,71.97 4.01,71.84 4.01,71.47
  In2.Cu w0.254: v2(3.53,71.97) 3.88,71.97 4.15,72.23 4.15,72.88 4.01,73.02 v2(3.56,73.02)
  In2.Cu w0.4: v2(3.56,73.02) 3.56,75.38 9.14,80.96 9.14,82.26
  Bottom w0.2: C99.1 C100.1
  Bottom w0.203: v2(8.97,71.25) 8.97,71.25 C115.1
  Bottom w0.254: v2(3.56,73.02) 2.22,73.02 C99.1 ; C100.1 2.31,71.97 v2(3.53,71.97)
VDD_2V5CAP: length 3.6
  Top w0.152: 40.04,41.28 38.91,42.41 ; U1.L17 v2(38.92,42.99)
  Bottom w0.203: v2(38.92,42.99) 38.83,42.91 38.37,42.91
  Bottom w0.254: v2(38.92,42.99) 38.88,43.03 C145.1
VDD_PMCCAP: length 5.7
  Top w0.102: v2(33.8,36.73) 34.36,36.18 U1.AC9 34.36,36.15
  Bottom w0.152: C45.1 31.47,37.35 32.08,36.75 C48.1 32.69,36.21 33.21,36.73 v2(33.8,36.73)
VDD_SOC: length 25.7
  Top w0.102: U1.T14 37.21,39.58 36.64,39.01 ; 35.51,37.88 34.95,37.32
  Top w0.152: 38.34,40.71 38.91,41.28 38.34,41.84 ; v2(39.87,40.71) U1.P18 U1.N17 ; 36.08,40.71 36.08,39.58 37.21,38.45 ; U1.T16 U1.U17 U1.T18 v2(40.06,39.57) ; U1.T12 v2(35.5,39.58) ; U1.P12 v2(35.5,40.71) ; 34.38,36.75 37.21,39.58 ; U1.AE7 v2(32.8,34.44) ; U1.Y10 v2(34.93,37.87) ; U1.R9 v2(34.35,40.72) ; 38.91,39.01 38.34,38.45 ; 36.64,37.88 35.51,39.01 ; U1.V12 v2(36.07,37.87)
  Top w0.178: 36.08,40.71 37.21,41.84 ; U1.P14 U1.N13
  Top w0.3: JP4.1 14.67,31.97 R1.1
  Bottom w0.254: v2(35.5,40.71) 34.93,41.28 C93.1 34.91,41.27 v2(34.36,40.71)
VDDR: length 45.6
  Top w0.102: U1.J23 v2(42.72,43.56) ; U4.K2 58.57,37.67